# Altium PCB MSXII_Lights.PcbDoc
Units mm, origin at the board's own origin, x right, y up, seen from the top; angles counter-clockwise.
Board outline 70.03 x 70 mm, 4 copper layers (Component Side, Ground Plane, Power Plane, Solder Side), stack 0.844 mm thick; 80 components, 77 nets, 324 pads, 164 vias.
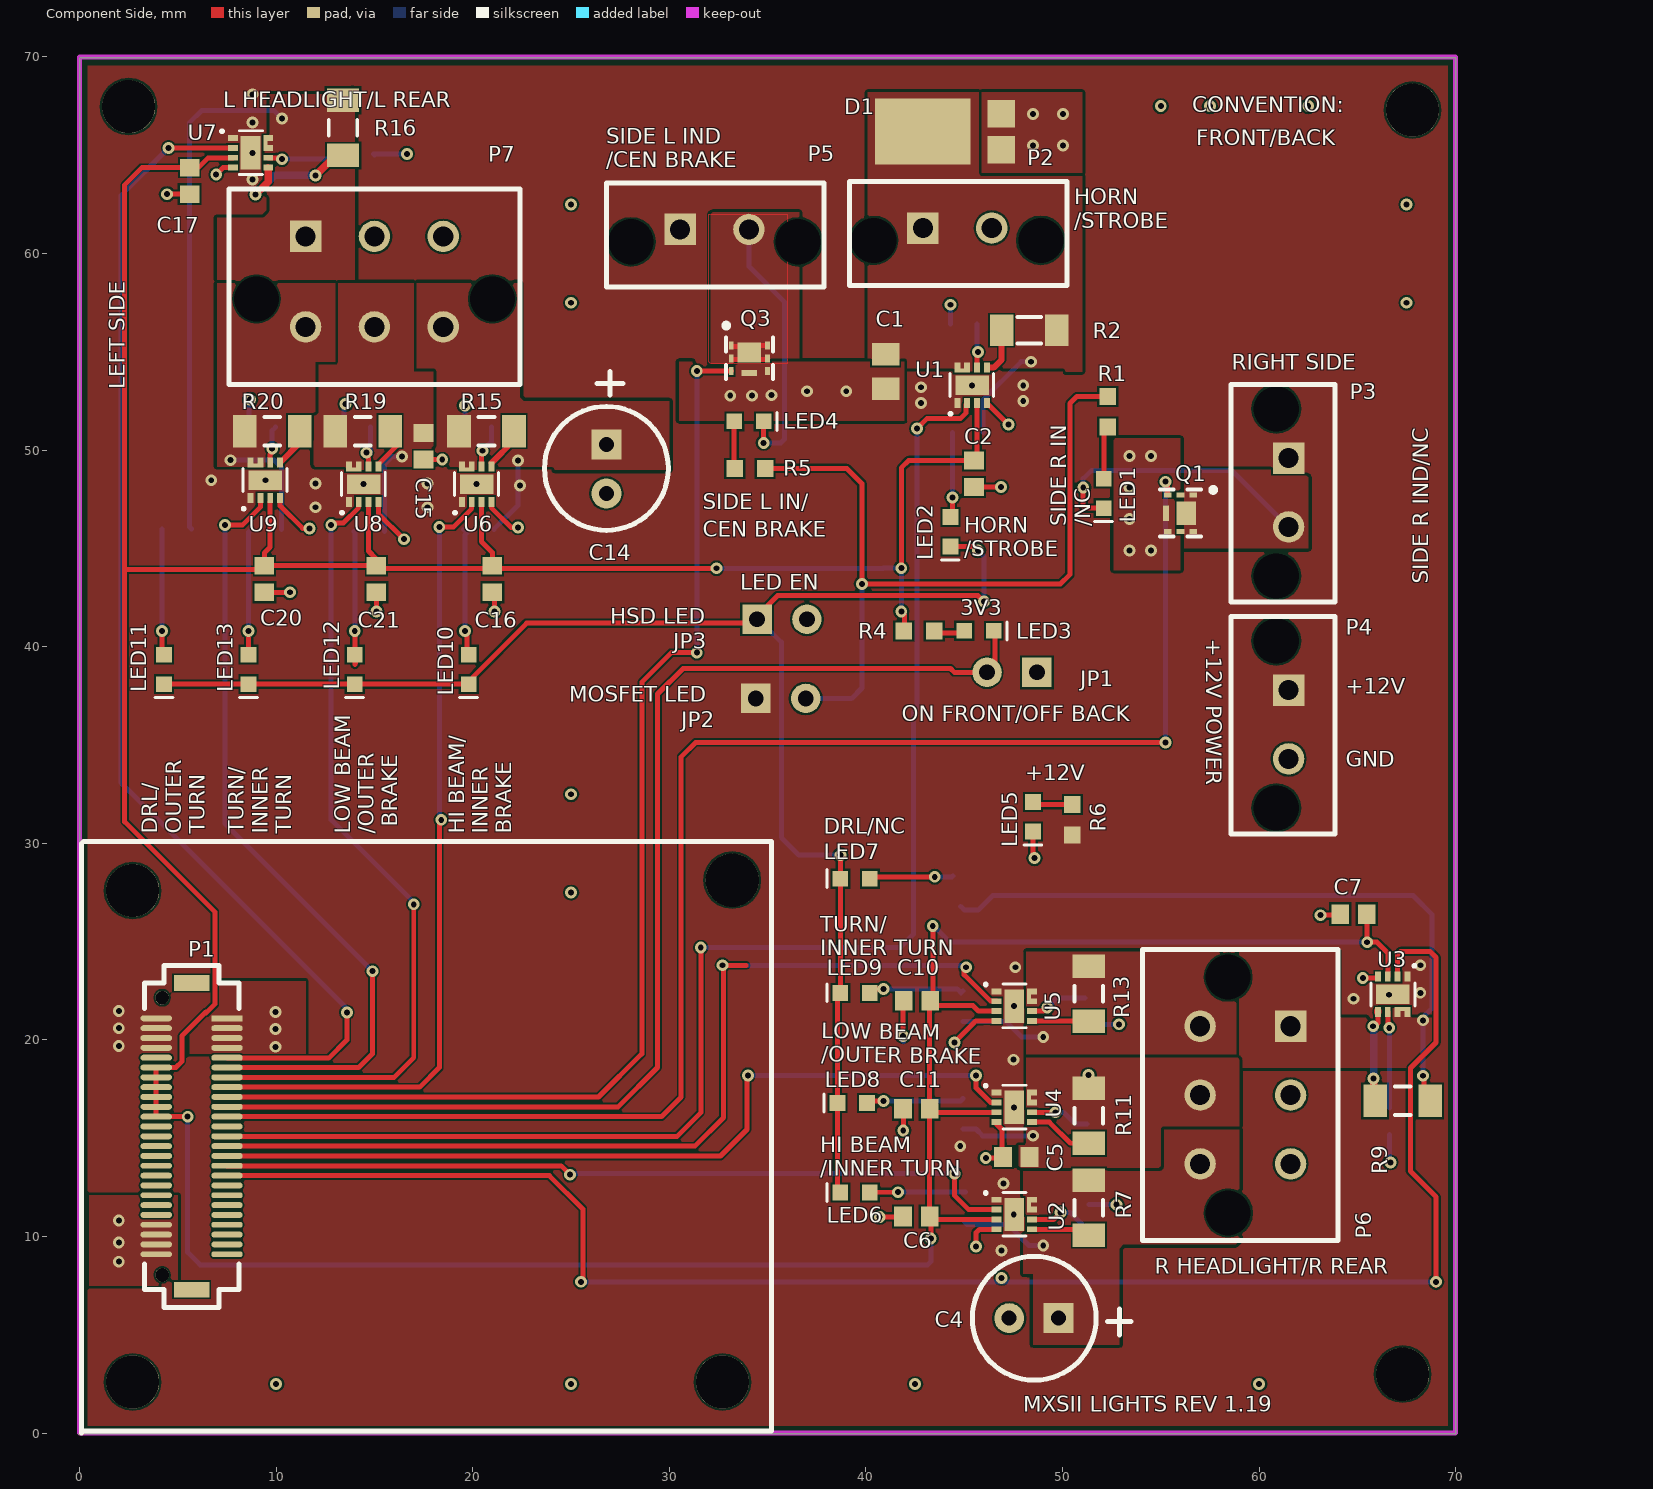
[diagram p0: Component Side view]
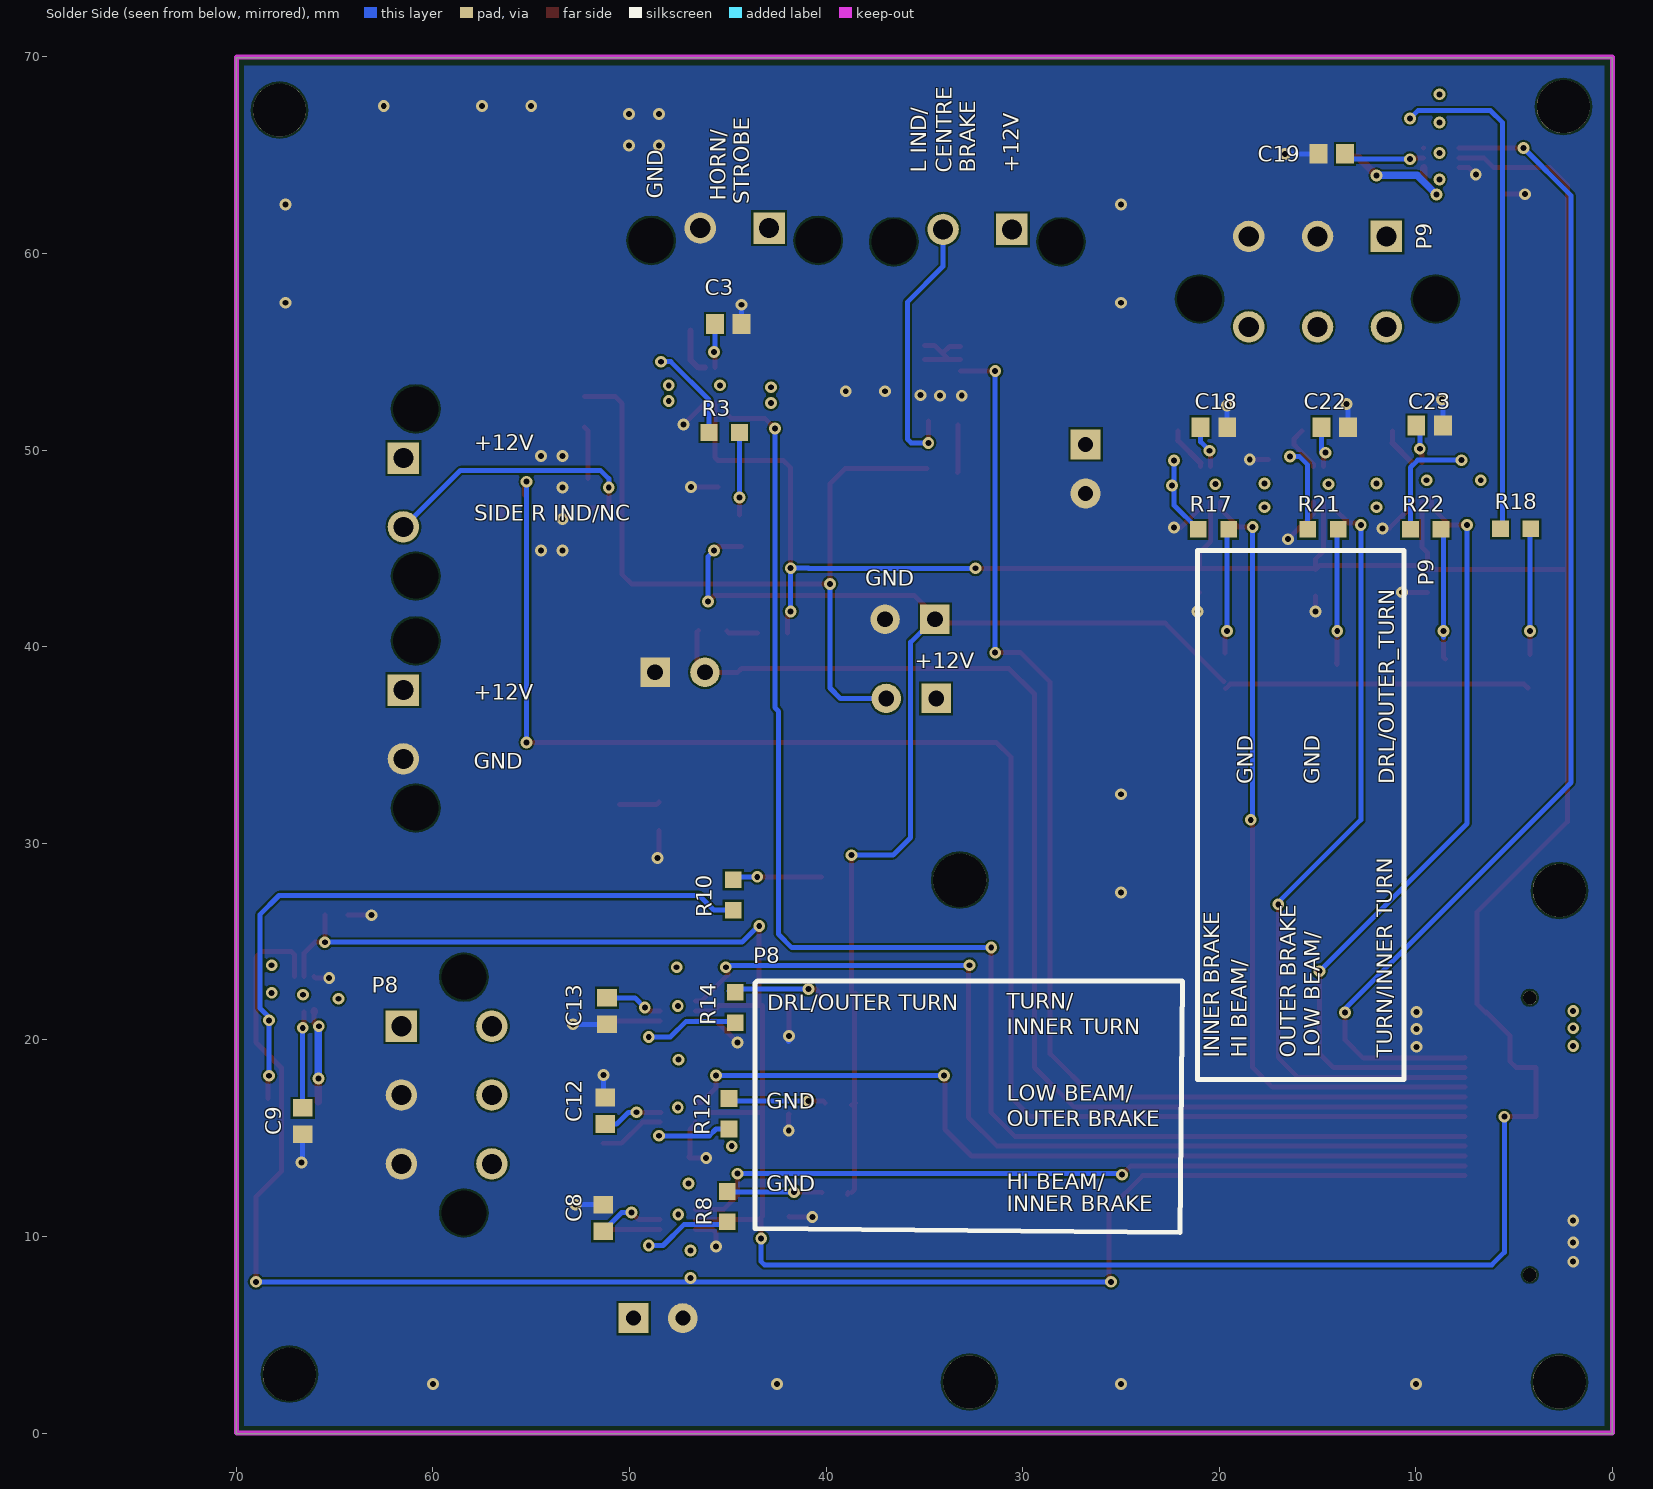
[diagram p1: Solder Side view, seen from below]
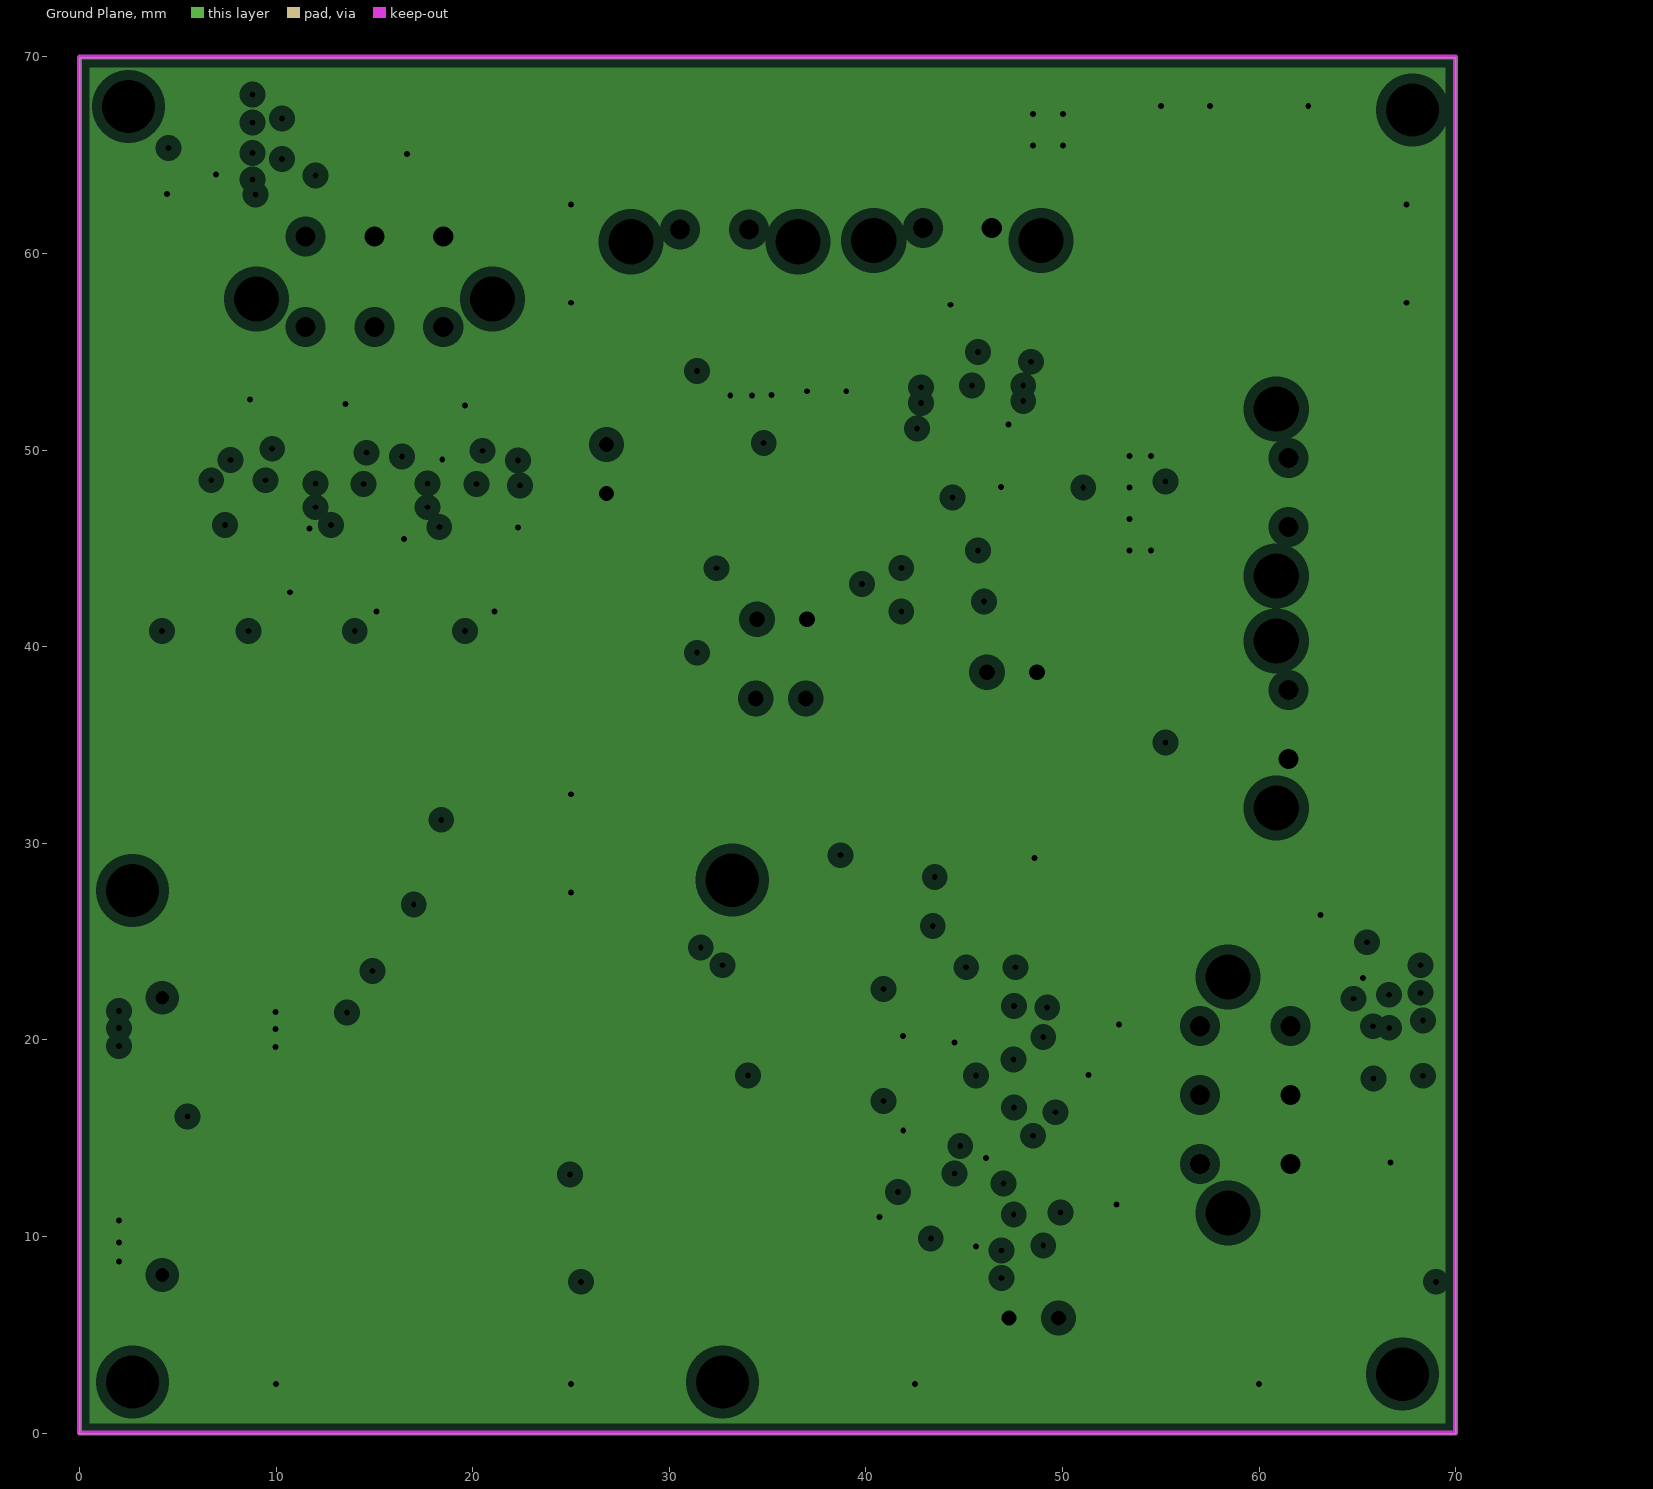
[diagram p2: Ground Plane, clearances drawn from the general rule]
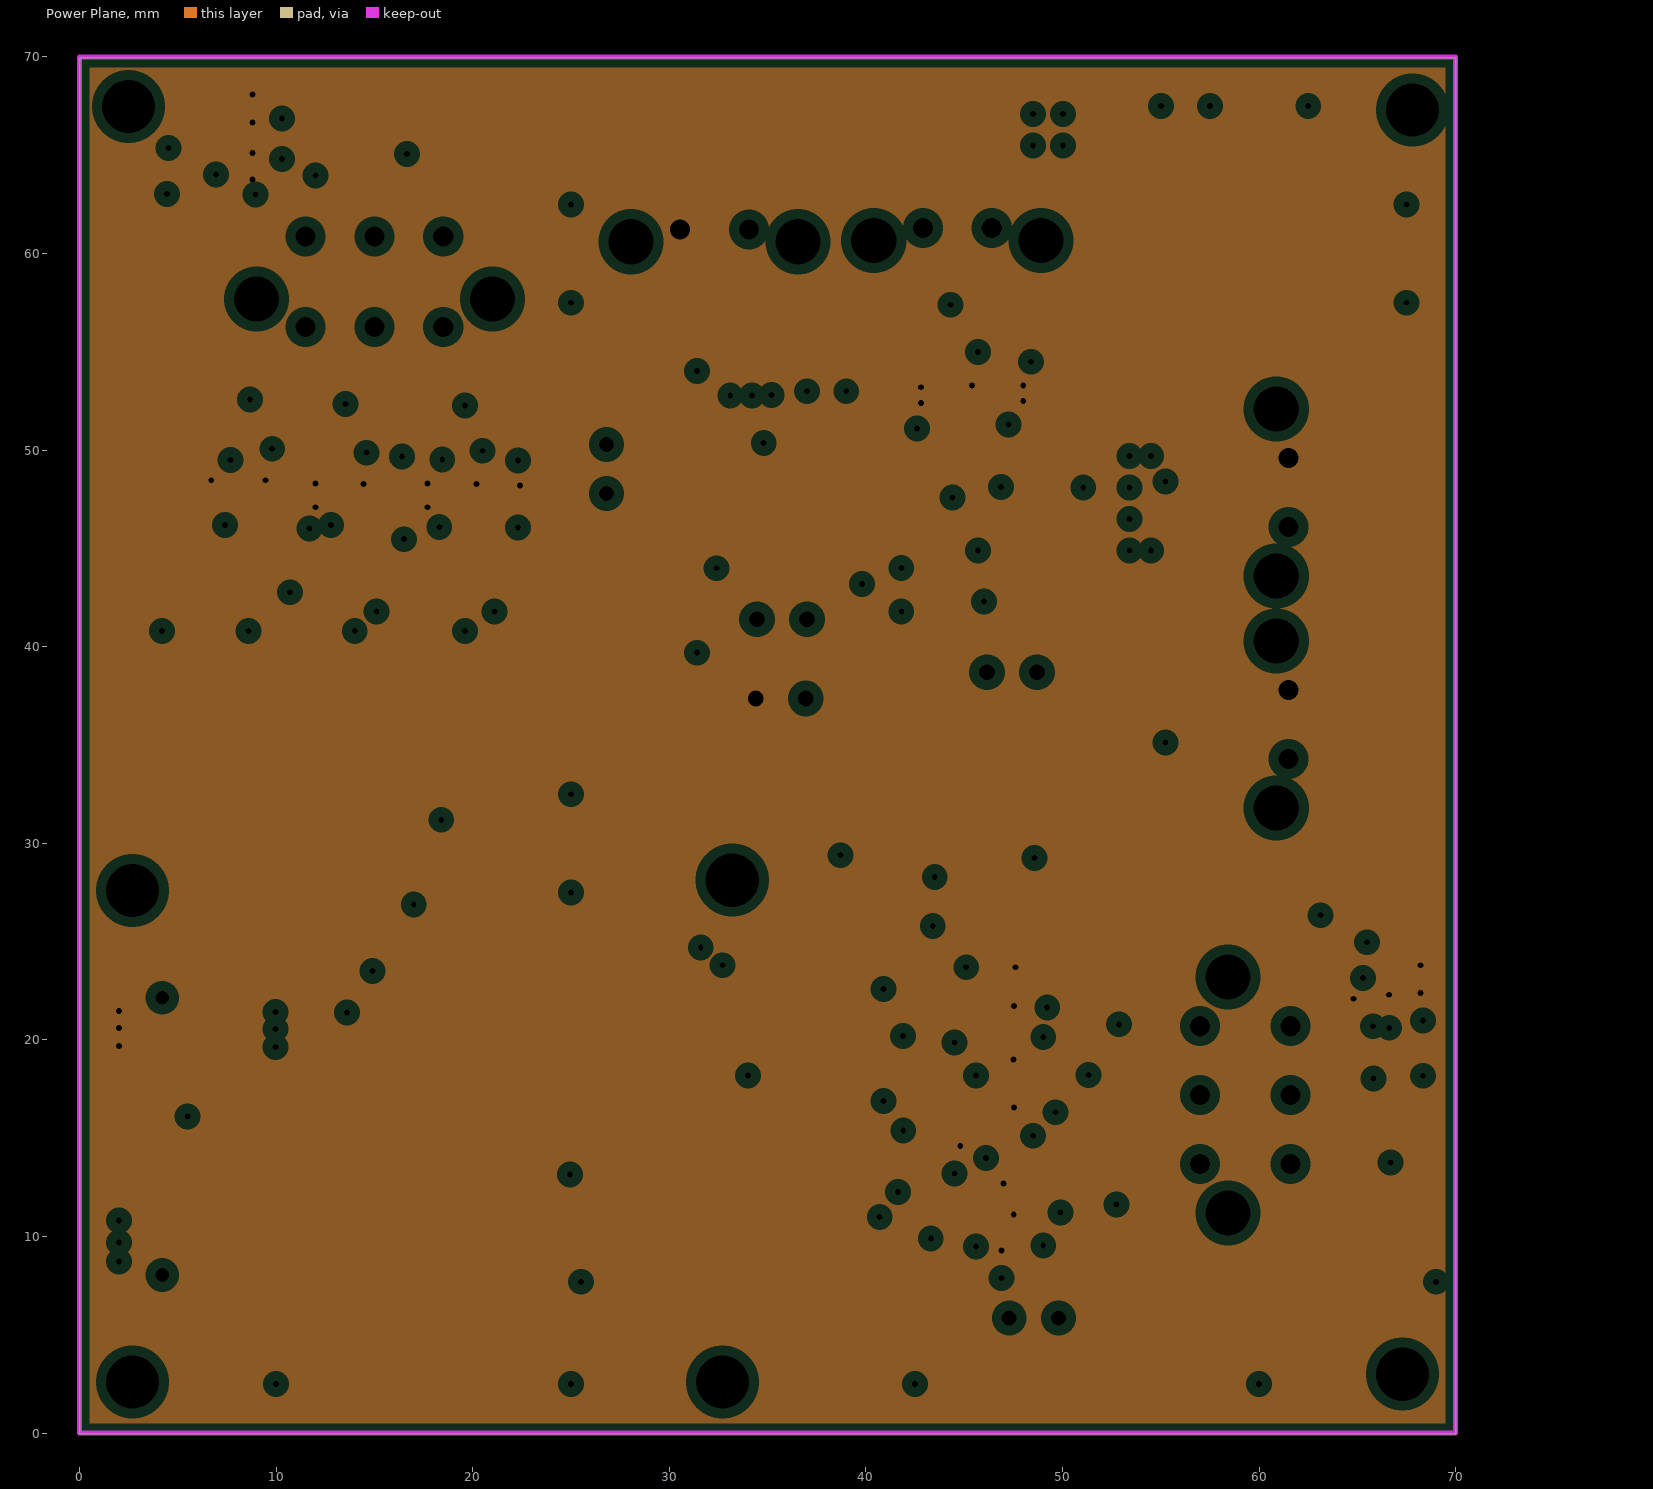
[diagram p3: Power Plane, clearances drawn from the general rule]
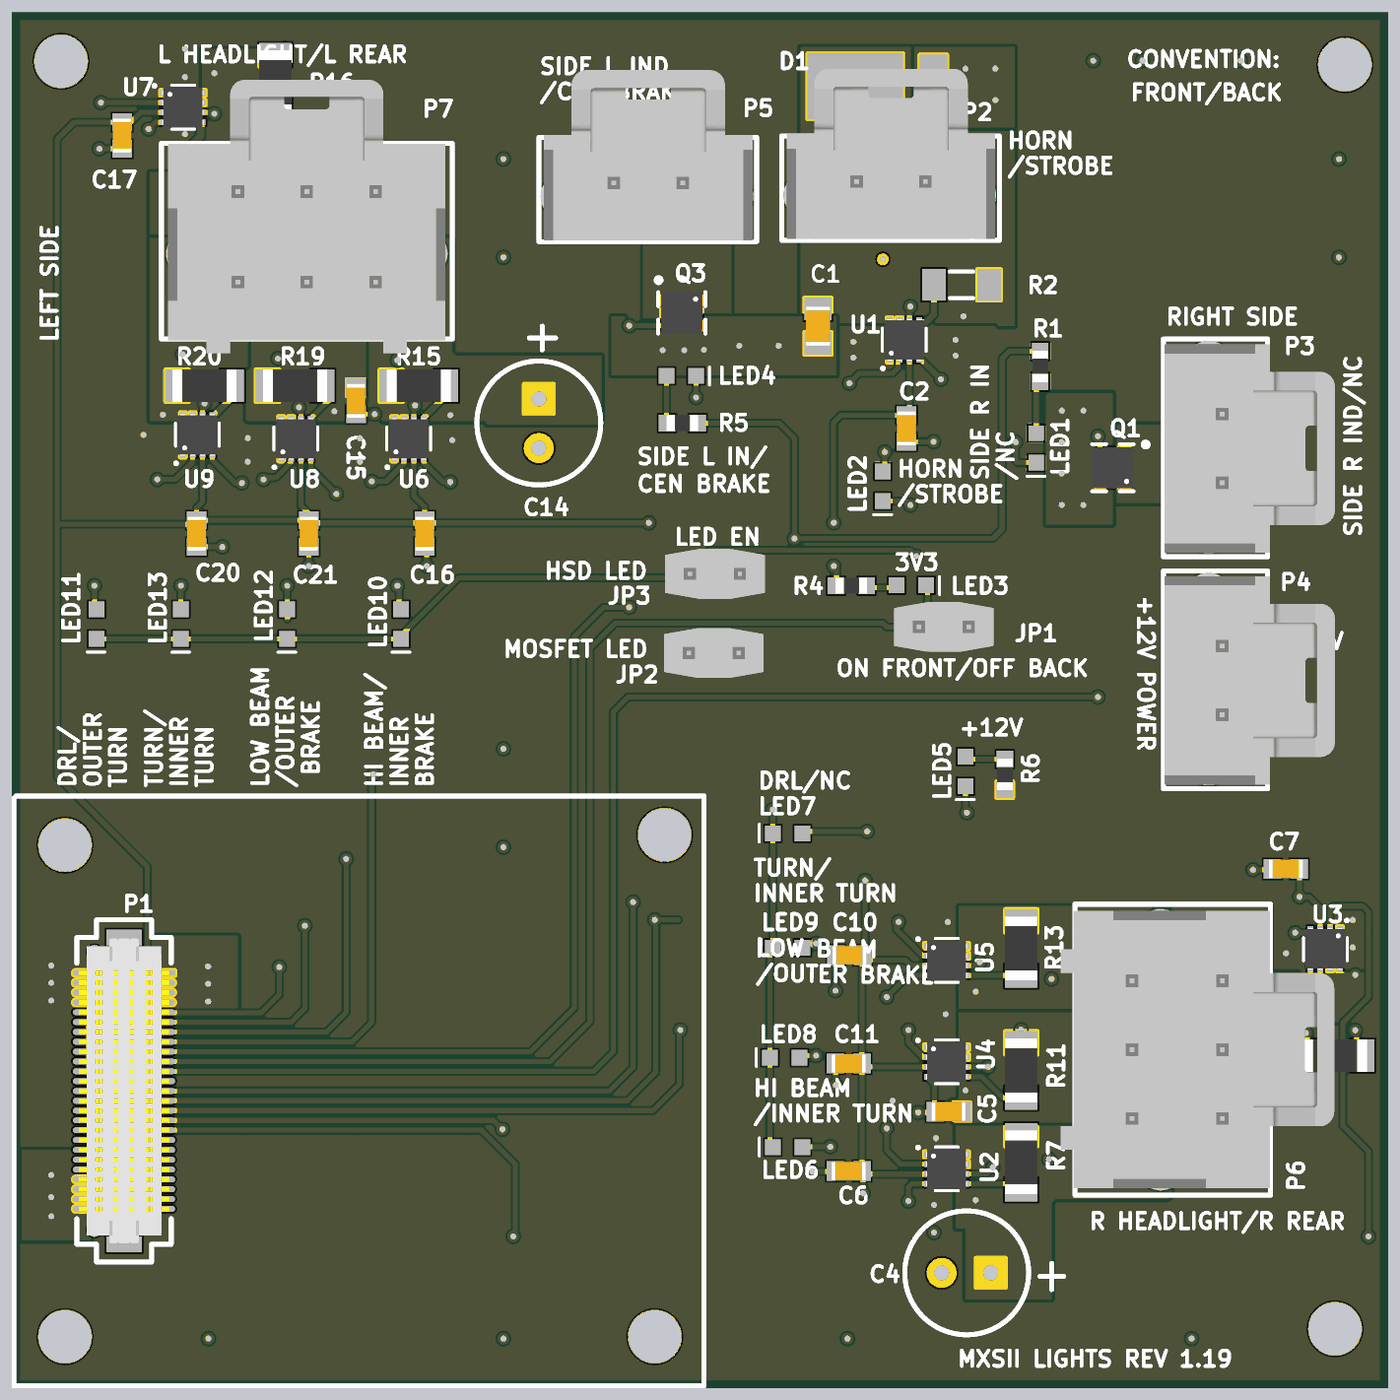
[diagram p4: 3D render of the assembled board from above, using the file's embedded part models]
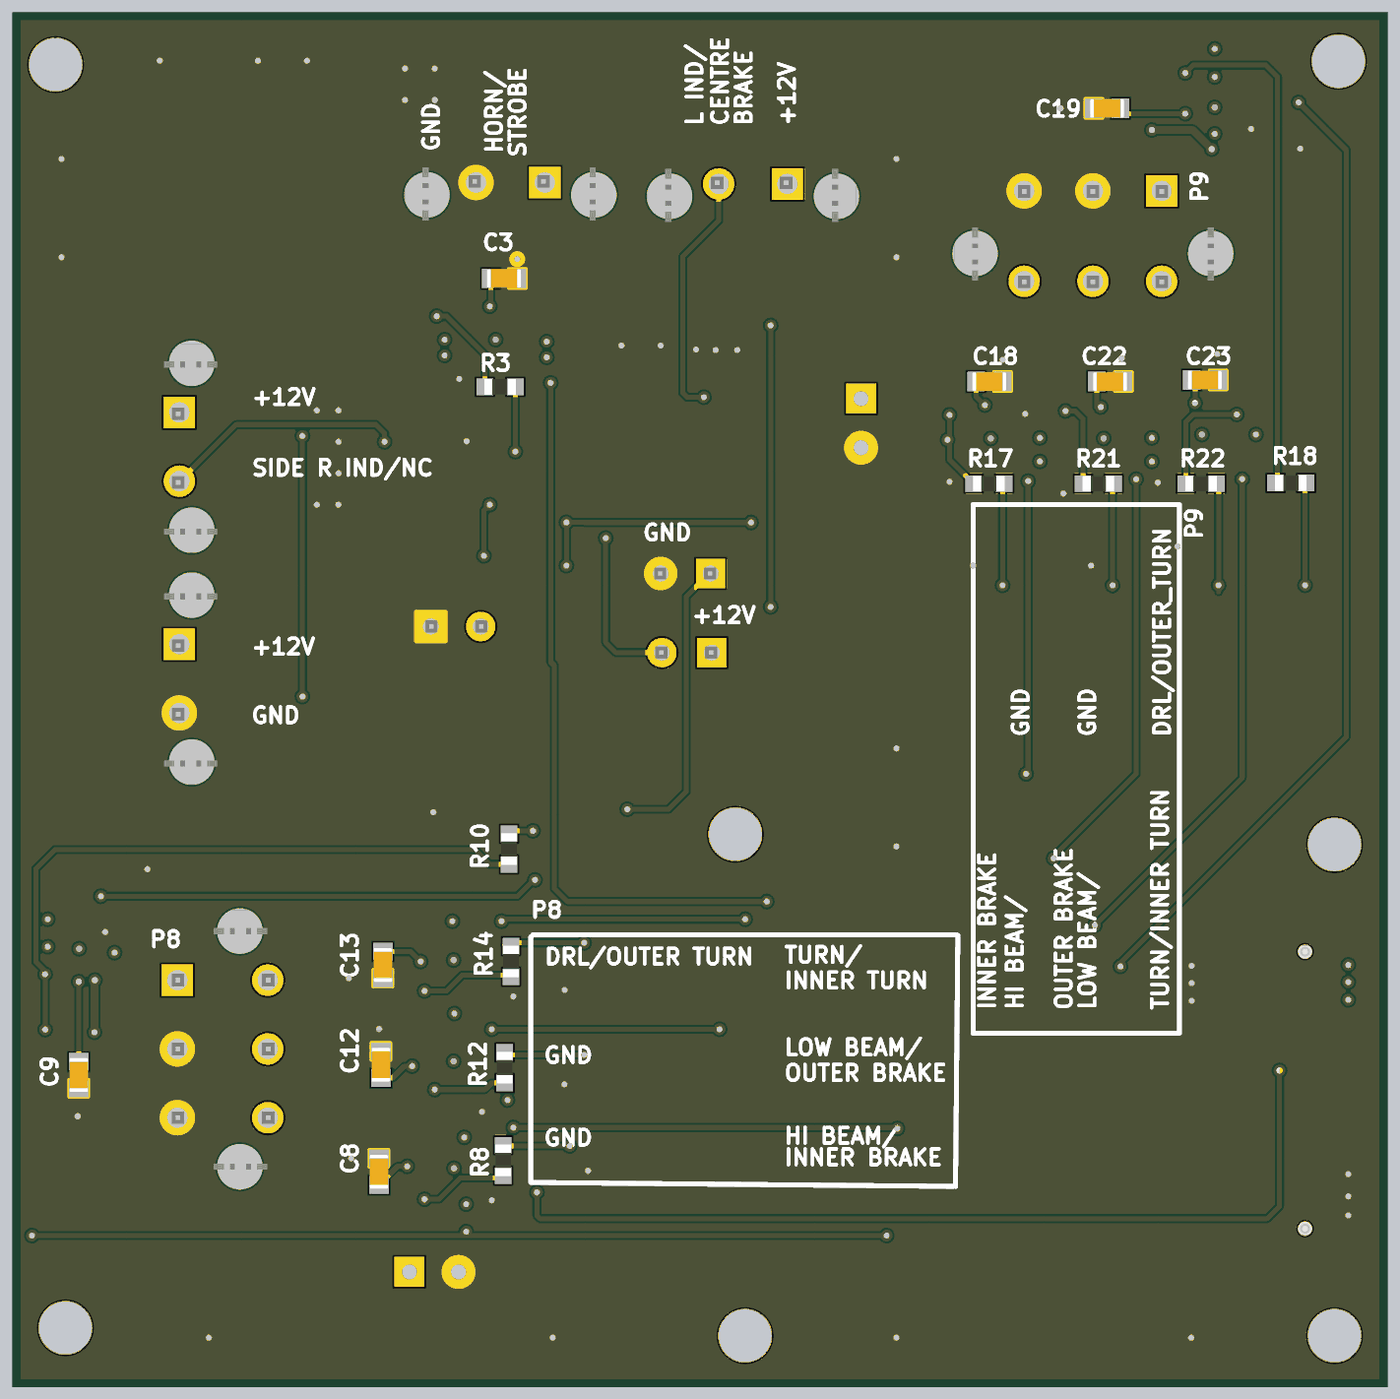
[diagram p5: 3D render of the assembled board from below, using the file's embedded part models]

## Layer stack, top to bottom
Top Solder: solder mask 0.0102, Solder Resist, Dk 3.5
Component Side: signal copper 0.0356
Dielectric 1: core 0.32, FR-4, Dk 4.8
Ground Plane: plane copper 0.036, net GND
Dielectric 3: prepreg 0.127, Dk 4.2
Power Plane: plane copper 0.036, net +12V
Dielectric 4: core 0.254, Dk 4.2
Solder Side: signal copper 0.0356
Bottom Solder: solder mask 0.0102, Solder Resist, Dk 3.5

## Board outline
-0.027,-0.027 0,0 0,69.973 70,69.973 70,-0.027

## Design rules (kind name [scope] priority, off if disabled: settings)
BoardOutlineClearance [All] p1: gap=0.406 ignorepadtopadclearanceinfootprint=FALSE
Clearance [All] p1: gap=0.152 ignorepadtopadclearanceinfootprint=FALSE except(0: Arc-Hole Track-Hole SMDPad-Hole THPad-Hole Via-Hole Fill-Hole Poly-Hole Region-Hole Text-Hole; 0.1: Arc-Fill Arc-Poly Arc-Region Track-Fill Track-Poly Track-Region SMDPad-Fill SMDPad-Poly SMDPad-Region THPad-Fill THPad-Poly THPad-Region Via-Fill Via-Poly Via-Region; 0.127: SMDPad-SMDPad)
ComponentClearance ComponentClearance_ControllerBoard [InComponent('P1') vs Identifier = 'Controller-Board'] p1: gap=0 collisioncheckmode=3 verticalgap=0 showdistances=FALSE
ComponentClearance ComponentClearance_Standoffs [Identifier = 'Standoff' vs Identifier = 'Controller-Board'] p2: gap=0 collisioncheckmode=3 verticalgap=0 showdistances=FALSE
ComponentClearance [All] p3: gap=0.254 collisioncheckmode=3 verticalgap=0.254 showdistances=FALSE
HoleSize [All] p1: absolutevalues=TRUE maxlimit=6.3 minlimit=0.3 maxpercent=80.000 minpercent=20.000
MinimumAnnularRing [All] p1: minimumring=0.152
MinimumSolderMaskSliver [All] p1: minsoldermaskwidth=0.3
PlaneClearance [All] p1: clearance=0.508
PlaneConnect "Schematic Power Plane Connect Style_2" [InNet('RF_LOW_BEAM/RR_OUTER_BRAKE_2')] p1: planeconnectstyle=Direct reliefexpansion=0.508 reliefentries=4 reliefconductorwidth=0.254 reliefairgap=0.254
PlaneConnect "Schematic Power Plane Connect Style" [InNetClass('High Current')] p2: planeconnectstyle=Direct reliefexpansion=0.508 reliefentries=4 reliefconductorwidth=0.254 reliefairgap=0.254
PlaneConnect "Schematic Power Plane Connect Style_1" [InNet('LF_HIGH_BEAM/LR_BRAKE_3')] p3: planeconnectstyle=Direct reliefexpansion=0.508 reliefentries=4 reliefconductorwidth=0.254 reliefairgap=0.254
PlaneConnect "Schematic Power Plane Connect Style_3" [InNet('RF_HIGH_BEAM/RR_BRAKE_2')] p4: planeconnectstyle=Direct reliefexpansion=0.508 reliefentries=4 reliefconductorwidth=0.254 reliefairgap=0.254
PlaneConnect [All] p5: planeconnectstyle=Direct reliefexpansion=0.508 reliefentries=4 reliefconductorwidth=0.254 reliefairgap=0.254
PolygonConnect PolygonConnect_HighCurrent [InNetClass('High Current')] p1: connectstyle=Direct reliefconductorwidth=0.254 reliefentries=4 polygonreliefangle="90 Angle" airgapwidth=0.254
PolygonConnect [IsPad] p2: connectstyle=Direct reliefconductorwidth=0.254 reliefentries=4 polygonreliefangle="90 Angle" airgapwidth=0.254
PolygonConnect PolygonConnect_NoThermal [Not(IsPad)] p3: connectstyle=Direct reliefconductorwidth=0.254 reliefentries=4 polygonreliefangle="90 Angle" airgapwidth=0.254
RoutingVias [All] p1: holewidth=0.3 width=0.6 viastyle="Through Hole" minholewidth=0.3 minwidth=0.6 maxholewidth=0.711 maxwidth=1.27
SilkToSolderMaskClearance [IsPad] p1: minsilkscreentomaskgap=0.178 clearancetoexposedcopper=TRUE
SolderMaskExpansion [All] p1: expansion=0.102
Width [All] p1: maxlimit=2.54 minlimit=0.152 preferedwidth=0.254
24 further rules are at their usual default settings.

## Classes and differential pairs
net class "High Current": LF_LOW_BEAM/LR_OUTER_BRAKE_3
component class Lights_Board: C1 C2 C3 D1 JP1 JP2 JP3 LED1 LED2 LED3 LED4 LED5 P2 P3 P4 P5 Q1 Q3 R1 R2 R3 R4 R5 R6 U1
component class Headlight_Right_Board: C4 C5 C6 C7 C8 C9 C10 C11 C12 C13 LED6 LED7 LED8 LED9 P6 R7 R8 R9 R10 R11 R12 R13 R14 U2 U3 U4 U5
component class Controller_Board_Interface: P1
component class Headlight_Left_Board: C14 C15 C16 C17 C18 C19 C20 C21 C22 C23 LED10 LED11 LED12 LED13 P7 R15 R16 R17 R18 R19 R20 R21 R22 U6 U7 U8 U9

## Components (designator, comment, footprint, x,y, rotation, side; value= is the part's Value field where it differs from the comment)
C1 "CAP CER 10uF 25V 10% X5R 0805" "CAP, 0805" 41,54 r270 top
C2 "CAP CER 0.1UF 50V 10% X7R 0603" "CAP, 0603" 45.5,48.8 r270 top
C3 "CAP CER 2.2UF 25V 10% X5R 0603" "CAP, 0603" 44.975,56.42 r180 bottom
C4 "CAP ALUM 56UF 20% 35V RADIAL" "CAP ALUM 56UF 20% 35V RADIAL" 48.564,5.848 r180 top
C5 "CAP CER 10uF 25V 20% X5R 0603" "CAP, 0603" 47.645,14.048 r0 top
C6 "CAP CER 0.1UF 50V 10% X7R 0603" "CAP, 0603" 42.565,11.023 r180 top
C7 "CAP CER 0.1UF 50V 10% X7R 0603" "CAP, 0603" 64.8,26.4 r180 top
C8 "CAP CER 2.2UF 25V 10% X5R 0603" "CAP, 0603" 51.34,10.948 r90 bottom
C9 "CAP CER 2.2UF 25V 10% X5R 0603" "CAP, 0603" 66.62,15.873 r270 bottom
C10 "CAP CER 0.1UF 50V 10% X7R 0603" "CAP, 0603" 42.6,22 r180 top
C11 "CAP CER 0.1UF 50V 10% X7R 0603" "CAP, 0603" 42.565,16.5 r180 top
C12 "CAP CER 2.2UF 25V 10% X5R 0603" "CAP, 0603" 51.24,16.398 r90 bottom
C13 "CAP CER 2.2UF 25V 10% X5R 0603" "CAP, 0603" 51.14,21.473 r270 bottom
C14 "CAP ALUM 56UF 20% 35V RADIAL" "CAP ALUM 56UF 20% 35V RADIAL" 26.8,49.075 r270 top
C15 "CAP CER 10uF 25V 20% X5R 0603" "CAP, 0603" 17.5,50.198 r90 top
C16 "CAP CER 0.1UF 50V 10% X7R 0603" "CAP, 0603" 21,43.448 r270 top
C17 "CAP CER 0.1UF 50V 10% X7R 0603" "CAP, 0603" 5.6,63.698 r270 top
C18 "CAP CER 2.2UF 25V 10% X5R 0603" "CAP, 0603" 20.275,51.173 r180 bottom
C19 "CAP CER 2.2UF 25V 10% X5R 0603" "CAP, 0603" 14.275,65.073 r0 bottom
C20 "CAP CER 0.1UF 50V 10% X7R 0603" "CAP, 0603" 9.4,43.448 r270 top
C21 "CAP CER 0.1UF 50V 10% X7R 0603" "CAP, 0603" 15.1,43.448 r270 top
C22 "CAP CER 2.2UF 25V 10% X5R 0603" "CAP, 0603" 14.125,51.173 r180 bottom
C23 "CAP CER 2.2UF 25V 10% X5R 0603" "CAP, 0603" 9.3,51.253 r180 bottom
D1 "DIODE SCHOTTKY 60V 7A POWERDI5" "DIODE SCHOTTKY 60V 7A POWERDI5" 42.9,66.2 r180 top
JP1 "JUMPER" "CONN 2POS JUMPER 0.1\"" 48.7,38.7 r180 top
JP2 "JUMPER" "CONN 2POS JUMPER 0.1\"" 34.4,37.373 r0 top
JP3 "JUMPER" "CONN 2POS JUMPER 0.1\"" 34.46,41.4 r0 top
LED1 "LED YELLOW CLEAR 2.1V 0603" LED_0603 52.09,48.503 r270 top
LED2 "LED YELLOW CLEAR 2.1V 0603" LED_0603 44.29,46.55 r270 top
LED3 "LED YELLOW CLEAR 2.1V 0603" LED_0603 45.05,40.81 r0 top
LED4 "LED YELLOW CLEAR 2.1V 0603" LED_0603 33.35,51.463 r0 top
LED5 "LED GREEN CLEAR 2V 0603" LED_0603 48.49,32.05 r270 top
LED6 "LED YELLOW CLEAR 2.1V 0603" LED_0603 40.15,12.248 r180 top
LED7 "LED YELLOW CLEAR 2.1V 0603" LED_0603 40.15,28.21 r180 top
LED8 "LED YELLOW CLEAR 2.1V 0603" LED_0603 40,16.8 r180 top
LED9 "LED YELLOW CLEAR 2.1V 0603" LED_0603 40.15,22.4 r180 top
LED10 "LED YELLOW CLEAR 2.1V 0603" LED_0603 19.79,39.55 r270 top
LED11 "LED YELLOW CLEAR 2.1V 0603" LED_0603 4.29,39.55 r270 top
LED12 "LED YELLOW CLEAR 2.1V 0603" LED_0603 13.99,39.55 r270 top
LED13 "LED YELLOW CLEAR 2.1V 0603" LED_0603 8.59,39.55 r270 top
P1 "CONN 50POS Bergstak Plug 0.02\"" "CONN, BERGSTAK 50 POS PLUG" 5.702,15.101 r0 top locked
P2 "CONN 2POS ULTRA-FIT NATURAL COLOR 0.138\"" "CONN, 2POS ULTRA-FIT - NATURAL COLOR" 42.9,61.3 r0 top locked
P3 "CONN 2POS ULTRA-FIT NATURAL COLOR 0.138\"" "CONN, 2POS ULTRA-FIT - NATURAL COLOR" 61.5,49.6 r270 top
P4 "CONN 2POS ULTRA-FIT 0.138\"" "CONN, 2POS ULTRA-FIT" 61.5,37.8 r270 top
P5 "CONN 2POS ULTRA-FIT NATURAL COLOR 0.138\"" "CONN, 2POS ULTRA-FIT - NATURAL COLOR" 30.55,61.228 r0 top locked
P6 "CONN 6POS ULTRA-FIT NATURAL COLOR 0.138\"" "CONN, 6POS ULTRA-FIT - NATURAL COLOR" 61.6,20.7 r270 top
P7 "CONN 6POS ULTRA-FIT NATURAL COLOR 0.138\"" "CONN, 6POS ULTRA-FIT - NATURAL COLOR" 11.5,60.873 r0 top
Q1 "MOSFET N-CH 30V 8.7A 2.1W 6-PQFN (2x2)" "MOSFET N-CH 30V 12A 2mmx2mm PQFN" 56.65,47.725 r180 top
Q3 "MOSFET N-CH 30V 8.7A 2.1W 6-PQFN (2x2)" "MOSFET N-CH 30V 12A 2mmx2mm PQFN" 33.15,55.323 r270 top
R1 "RES 10K OHM 1% 1/10W 0603" "RES, 0603" 52.3,51.953 r270 top
R2 "RES 200 OHM 5% 1/2W 0805" "RES 0805"#1 48.3,56.1 r180 top
R3 "RES 10K OHM 1% 1/10W 0603" "RES, 0603" 45.175,50.9 r180 bottom